# Altium PCB Fri3D_2026_00.PcbDoc (part 1 of 3)
Units mm, origin at the board's own origin, x right, y up, seen from the top; angles counter-clockwise.
Board outline 119 x 61 mm, 2 copper layers (Top Layer, Bottom Layer), stack 1.571 mm thick; 126 components, 94 nets, 516 pads, 177 vias.
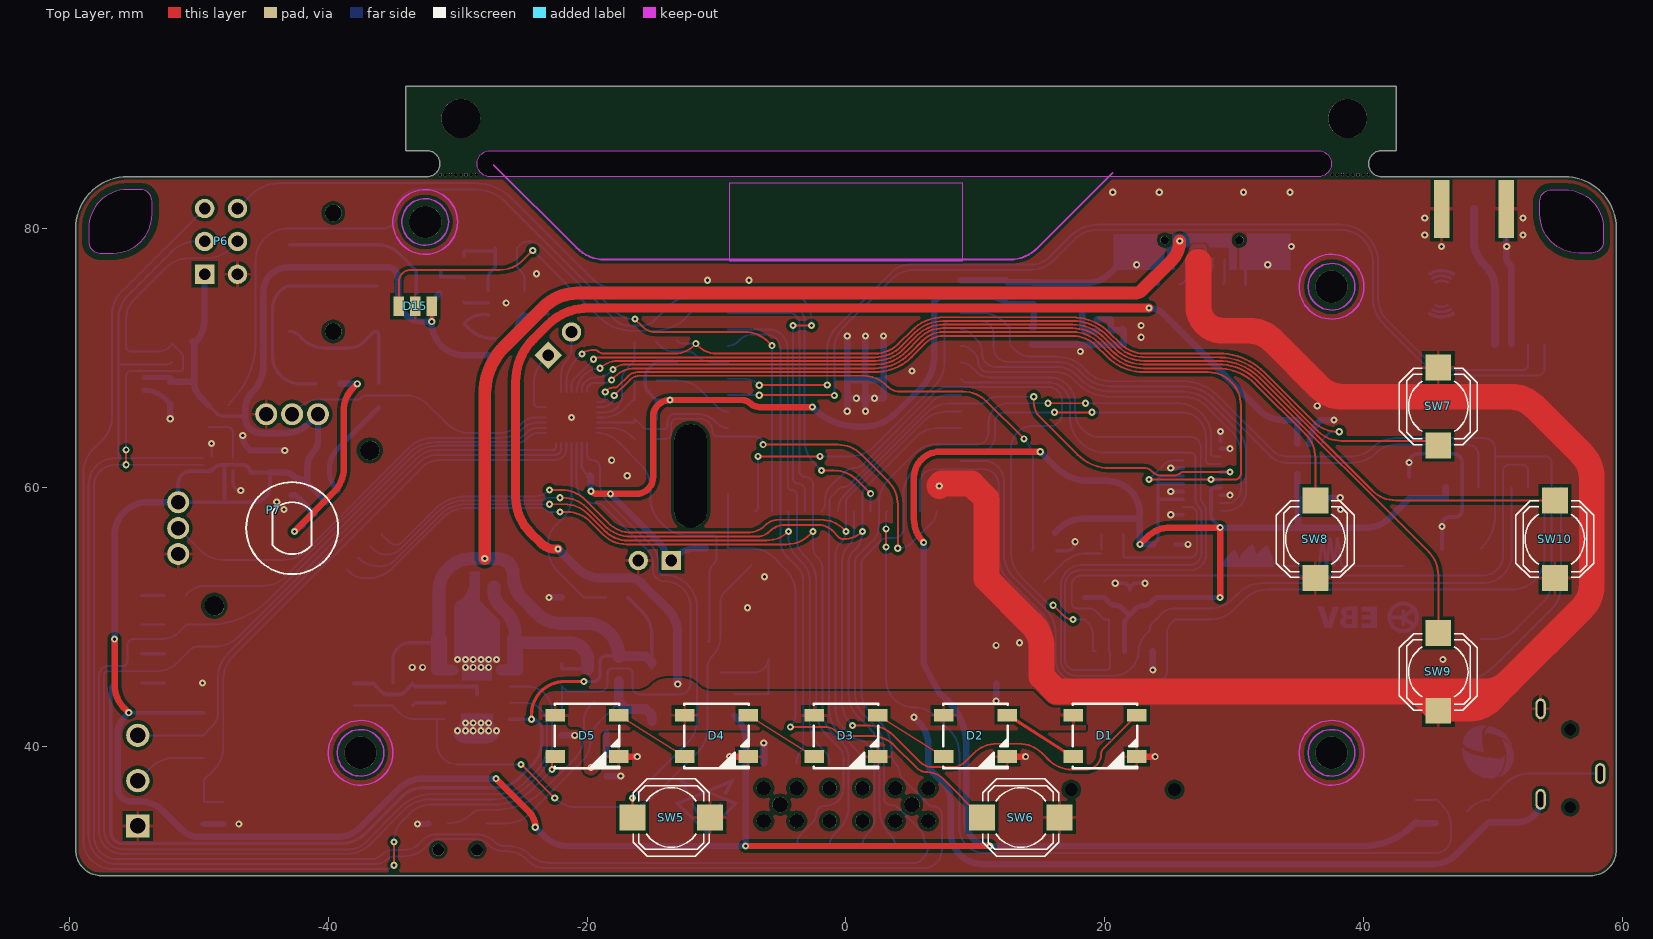
[diagram p0: Top Layer view]
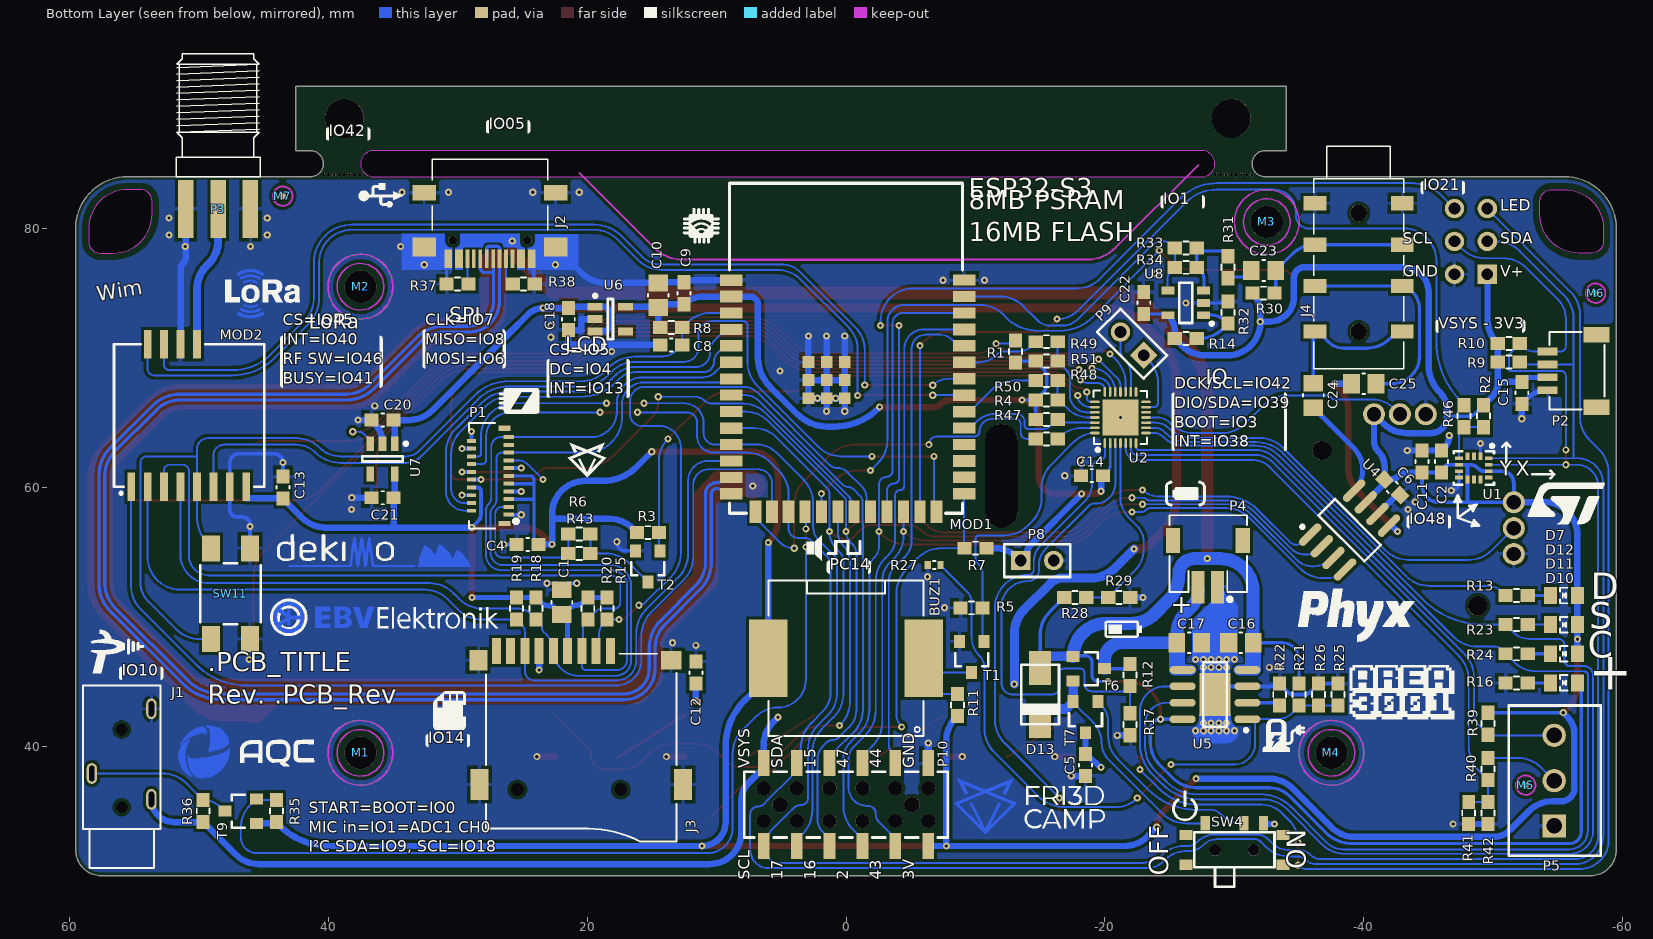
[diagram p1: Bottom Layer view, seen from below]
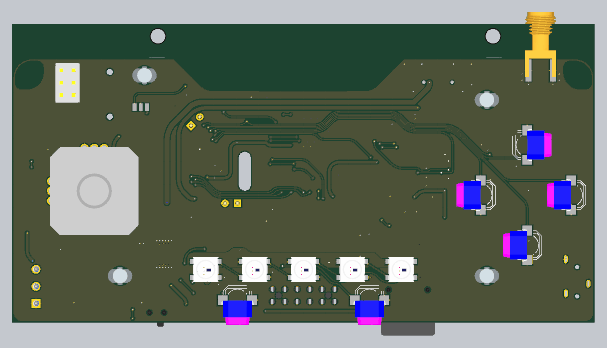
[diagram p4: 3D render of the assembled board from above, using the file's embedded part models]
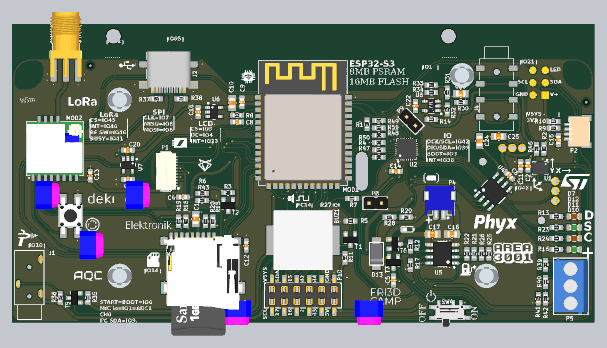
[diagram p5: 3D render of the assembled board from below, using the file's embedded part models]

## Layer stack, top to bottom
Top Solder: solder mask 0.0102, Solder Resist, Dk 3.5
Top Layer: signal copper 0.0356
Dielectric1: core 1.5, FR-4, Dk 4.8
Bottom Layer: signal copper 0.0356
Bottom Solder: solder mask 0.0102, Solder Resist, Dk 3.5

## Board outline
-59.5,32 ccw(c-57.5,32) -57.5,30 57.5,30 ccw(c57.5,32) 59.5,32 59.5,80 ccw(c55.5,80) 55.5,84 41.366,84 cw(c41.366,85) 41.366,86 42.5,86 42.5,91 -34,91 -34,86 -32.366,86 cw(c-32.366,85) -32.366,84 -55.5,84 ccw(c-55.5,80) -59.5,80
cut-out: -27.5,84 cw(c-27.5,85) -27.5,86 36.5,86 cw(c36.5,85) 36.5,84
cut-out: -53.6,81.1 -53.6,82.1 ccw(c-54.5,82.1) -54.5,83 -55.5,83 ccw(c-55.5,80) -58.5,80 -58.5,79 ccw(c-57.6,79) -57.6,78.1 -56.6,78.1 ccw(c-56.6,81.1)
cut-out: 53.6,81.1 53.6,82.1 cw(c54.5,82.1) 54.5,83 55.5,83 cw(c55.5,80) 58.5,80 58.5,79 cw(c57.6,79) 57.6,78.1 56.6,78.1 cw(c56.6,81.1)

## Design rules (kind name [scope] priority, off if disabled: settings)
BoardOutlineClearance [NOT OnLayer('Top Overlay') AND NOT OnLayer('Bottom Overlay') AND NOT IsText AND NOT HasFootprint('MicroBIT_V2_PCB') AND NOT IsKeepOut] p1: gap=0.5 ignorepadtopadclearanceinfootprint=FALSE except(0: Arc-SplitContinuation Track-SplitContinuation SMDPad-SplitContinuation THPad-SplitContinuation Via-SplitContinuation Fill-SplitContinuation Poly-SplitContinuation Region-SplitContinuation Text-SplitContinuation; 0.15: SMDPad-OutlineEdge THPad-OutlineEdge; 0.25: Poly-OutlineEdge Region-OutlineEdge; 0.3: Arc-OutlineEdge Track-OutlineEdge; 0.4: Via-OutlineEdge)
Clearance [All] p1: gap=0.15 ignorepadtopadclearanceinfootprint=FALSE except(0.125: Arc-Arc Arc-Track Arc-SMDPad Arc-Via Track-Track Track-SMDPad Track-Via; 0.25: Arc-Poly Arc-Hole Track-Poly Track-Hole SMDPad-Poly SMDPad-Hole THPad-Poly THPad-Hole Via-Poly Via-Hole Fill-Poly Fill-Hole Poly-Hole Region-Hole Text-Hole)
ComponentClearance ComponentClearance_TP [HasFootprint('TP_2x3mm')] p1: gap=0 collisioncheckmode=3 verticalgap=0 showdistances=FALSE
ComponentClearance ComponentClearance_CO2 [InComponent('P5') OR InComponent('P8') OR InComponent('MOD2') vs InComponent('P5') OR InComponent('P8') OR InComponent('MOD2')] p2: gap=0 collisioncheckmode=3 verticalgap=0 showdistances=FALSE
ComponentClearance ComponentClearance_BAT [InComponent('P4')  OR InComponent('BAT1') OR InComponent('R27') vs InComponent('P4')  OR InComponent('BAT1') OR InComponent('R27')] p3: gap=0 collisioncheckmode=3 verticalgap=0 showdistances=FALSE
ComponentClearance ComponentClearance_R31-T5 [InComponent('R31') OR InComponent('T5') vs InComponent('R31') OR InComponent('T5')] p4: gap=0 collisioncheckmode=3 verticalgap=0 showdistances=FALSE
ComponentClearance "ComponentClearance_Selection resistors" [InComponent('R45') OR InComponent('R44') OR InComponent('R33') OR InComponent('R34') vs InComponent('R45') OR InComponent('R44') OR InComponent('R33') OR InComponent('R34')] p5: gap=0 collisioncheckmode=3 verticalgap=0 showdistances=FALSE
ComponentClearance ComponentClearance_T9-R4 [InComponent('R4') OR InComponent('T9') vs InComponent('R4') OR InComponent('T9')] p6: gap=0 collisioncheckmode=3 verticalgap=0 showdistances=FALSE
ComponentClearance ComponentClearance_IR [InComponent('D6') OR InComponent('D15') vs InComponent('D6') OR InComponent('D15')] p7: gap=0 collisioncheckmode=3 verticalgap=0 showdistances=FALSE
ComponentClearance [All] p8: gap=0.25 collisioncheckmode=3 verticalgap=0.25 showdistances=FALSE
DiffPairsRouting [All] p1: maxlimit=0.254 minlimit=0.2 mostfreqgap=0.2 toplayer_minwidth=0.25 toplayer_maxwidth=0.5 toplayer_prefwidth=0.25 bottomlayer_minwidth=0.25 bottomlayer_maxwidth=0.5 bottomlayer_prefwidth=0.25 maxuncoupledlength=12.7
HoleSize [All] p1: absolutevalues=TRUE maxlimit=20 minlimit=0.025 maxpercent=80.000 minpercent=20.000
PolygonConnect PolygonConnect_VIA [IsVia] p1: connectstyle=Direct reliefconductorwidth=0.254 reliefentries=4 polygonreliefangle="90 Angle" airgapwidth=0.254
PolygonConnect [All] p2: connectstyle=Relief reliefconductorwidth=0.254 reliefentries=4 polygonreliefangle="90 Angle" airgapwidth=0.254
RoutingVias [All] p1: holewidth=0.3 width=0.7 viastyle="Through Hole" minholewidth=0.25 minwidth=0.2 maxholewidth=0.6 maxwidth=1.2
SilkToSolderMaskClearance SilkscreenOverComponentPads [IsPad] p1: minsilkscreentomaskgap=0.254 clearancetoexposedcopper=TRUE
SolderMaskExpansion [All] p1: expansion=0.05 istentingtop=FALSE
SupplyNets "Schematic Supply Nets_5" [InNet('VUSB')] p1: voltage=0.000
SupplyNets "Schematic Supply Nets_4" [InNet('VBAT')] p2: voltage=0.000
SupplyNets "Schematic Supply Nets_3" [InNet('GND')] p3: voltage=0.000
SupplyNets "Schematic Supply Nets_2" [InNet('3V3_ESP')] p4: voltage=0.000
SupplyNets "Schematic Supply Nets_1" [InNet('3V3_AUX')] p5: voltage=0.000
SupplyNets "Schematic Supply Nets" [InNet('VSYS')] p6: voltage=0.000
Width [All] p1: maxlimit=5 minlimit=0.125 preferedwidth=0.25
26 further rules are at their usual default settings.

## Classes and differential pairs
net class AIN[0..1]: AIN0 AIN1
net class ESP.IO[0..48]: ESP.IO0 ESP.IO1 ESP.IO2 ESP.IO3 ESP.IO4 ESP.IO5 ESP.IO6 ESP.IO7 ESP.IO8 ESP.IO10 ESP.IO11 ESP.IO12 ESP.IO13 ESP.IO14 ESP.IO15 ESP.IO16 ESP.IO17 ESP.IO18 ESP.IO19 ESP.IO20 ESP.IO21 ESP.IO22 ESP.IO23 ESP.IO24 ESP.IO28 ESP.IO29 ESP.IO30 ESP.IO31 ESP.IO35 ESP.IO37 ESP.IO38 ESP.IO39 ESP.IO40 ESP.IO41 ESP.IO42 ESP.IO43 ESP.IO44 ESP.IO45 ESP.IO46 ESP.IO47 ESP.IO48
net class 90r: USB.D_n USB.D_p
component class Power: C16 C17 C18 C20 C21 D10 D11 D12 D13 P4 R1 R16 R21 R22 R23 R24 R25 R26 R27 SW4 T6 T7 U5 U6 U7
component class Peripherals: BUZ1 C1 C2 C4 C5 C11 C12 C14 D1 D2 D3 D4 D5 D7 D15 J3 P1 P7 P8 P9 R2 R3 R4 R5 R6 R11 R12 R13 R15 R17 R18 R19 R20 R28 R29 R43 R46 R47 R48 R49 R50 R51 SW5 SW6 SW7 SW8 SW9 SW10 T1 T2 U1 U2
component class Fri3D_2026_00: C6 C13 C15 C22 C23 C24 C25 J1 J2 J4 M1 M2 M3 M4 M5 M6 M7 MOD2 P2 P3 P5 P6 P10 R14 R30 R31 R32 R33 R34 R35 R36 R37 R38 R39 R40 R41 R42 T9 U4 U8
component class ESP32: C8 C9 C10 MOD1 R7 R8 R9 R10 SW11
net class POWER: 3V3_AUX 3V3_ESP GND VB-S VBAT VSYS VUSB
differential pair USB.D: +USB.D_p -USB.D_n

## Components (designator, comment, footprint, x,y, rotation, side; value= is the part's Value field where it differs from the comment)
BUZ1 "12x12x3mm Piezo Buzzer Transducer 81dB" CUI_CMT-1203-SMT 0,46.8 r0 bottom locked value=CMT-1203-SMT
C1 "" C0805_N 21.946,51.141 r90 bottom value="10uF 10V"
C2 "" C0603_N -46,62 r90 bottom value="100nF 16V"
C4 "" C0603_N 24.6,55.6 r0 bottom value="100nF 16V"
C5 "" C0603_N -18.5,38.55 r270 bottom value="1uF 16V"
C6 "" C0603_N -42.2,60 r225 bottom value="100nF 16V"
C8 "" C0603_N 13.5,71 r0 bottom value="100nF 16V"
C9 "" C0603_N 12.5,75 r90 bottom value="100nF 16V"
C10 "" C0805_N 14.5,74.85 r90 bottom value="10uF 10V"
C11 "" C0603_N -44.5,62 r90 bottom value="1uF 16V"
C12 "" C0603_N 11.6,45.7 r90 bottom value="1uF 16V"
C13 "" C0603_N 43.5,60 r90 bottom value="1uF 16V"
C14 "" C0603_N -19,60.9 r0 bottom value="100nF 16V"
C15 "" C0603_N -52.2,67.3 r270 bottom value="100nF 16V"
C16 "" C0805_N -30.5,48 r0 bottom value="10uF 10V"
C17 "" C0805_N -26.5,48 r180 bottom value="10uF 10V"
C18 "" C0603_N 21.45,73 r270 bottom value="1uF 16V"
C20 "" C0603_N 35.8,65.2 r0 bottom value="1uF 16V"
C21 "" C0603_N 35.8,59.2 r0 bottom value="1uF 16V"
C22 "" C0603_N -23,74.25 r90 bottom value="100nF 16V"
C23 "" C0805_N -32.25,76.75 r0 bottom value="10uF 10V"
C24 "" C0805_N -36.1,67.1 r270 bottom value="10uF 10V"
C25 "" C0805_N -40,68 r0 bottom value="10uF 10V"
D1 "WS2812 based digital RGB LED 5050 White package reduced current" LED_5050_WS2812B_WHITE 20,40.8 r0 top value="WS218C 5050 WH"
D2 "WS2812 based digital RGB LED 5050 White package reduced current" LED_5050_WS2812B_WHITE 10,40.8 r0 top value="WS218C 5050 WH"
D3 "WS2812 based digital RGB LED 5050 White package reduced current" LED_5050_WS2812B_WHITE 0,40.8 r0 top value="WS218C 5050 WH"
D4 "WS2812 based digital RGB LED 5050 White package reduced current" LED_5050_WS2812B_WHITE -10,40.8 r0 top value="WS218C 5050 WH"
D5 "WS2812 based digital RGB LED 5050 White package reduced current" LED_5050_WS2812B_WHITE -20,40.8 r0 top value="WS218C 5050 WH"
D7 "Default 0805 Red LED" LED_0805_RD -55.45,51.65 r0 bottom
D10 "Default 0805 Green LED" LED_0805_GR -55.45,44.9 r0 bottom
D11 "Default 0805 Red LED" LED_0805_RD -55.45,47.15 r0 bottom
D12 "Default 0805 Green LED" LED_0805_GR -55.45,49.4 r0 bottom
D13 "40V 2A 550mV@2A DO-214 Schottky" DO-214AC_AC -15,44 r270 bottom value=SS24-MS
D15 "ZIRM-5042B-42-Z2 Infrared Receiver 38 kHz 45° 2.7-5.5V 940nm" CHAU_ZIRM-5042B-42-Z2 -33.27,74 r0 top value=ZIRM-5042B-42-Z2
J1 "3.5mm jack, black, 3 contacts" SHOU_HAN_PJ-320A-3P 55.95,41.3 r90 bottom value=PJ-320A-3P
J2 "USB 2.0 C Reversible Receptacle Horizontal full SMD" XUNPU-TYPEC-304S-ACP16 27.5,80.2 r0 bottom value=TYPEC-304S-ACP16
J3 "Micro SD PiPo Push-Push" TFP09-2-12B 20.5,42 r180 bottom value=TFP09-2-12B
J4 "3.5mm jack, black, 4 contacts" HC-PJ-313E8-B-SMT -39.6,77 r270 bottom value=HC-PJ-313E8-B-SMT
M1 "HIWA LCC-12 Snap-in - Snap-in 12.7mm" WE_709622400 37.5,39.5 r180 bottom value=LCC-12
M2 "HIWA LCC-12 Snap-in - Snap-in 12.7mm" WE_709622400 37.5,75.5 r180 bottom value=LCC-12
M3 "HIWA LCC-12 Snap-in - Snap-in 12.7mm" WE_709622400 -32.5,80.5 r180 bottom value=LCC-12
M4 "HIWA LCC-12 Snap-in - Snap-in 12.7mm" WE_709622400 -37.5,39.5 r180 bottom value=LCC-12
M5 "Fiducial 0.5mm" FID_0.5mm -52.5,37 r180 bottom value="NO BOM"
M6 "Fiducial 0.5mm" FID_0.5mm -57.9,75 r180 bottom value="NO BOM"
M7 "Fiducial 0.5mm" FID_0.5mm 43.5,82.5 r180 bottom value="NO BOM"
MOD1 "ESP32-S3 based WROOM-1 16MB Flash, 8MB PSRAM" ESP-ESP32-S3-WROOM-1 9,58 r180 bottom locked value=ESP32-S3-WROOM-1-N16R8
MOD2 "868/915MHz 22dBm LoRa Module with Antenna Pin" SEE_Wio-SX1262 50.741,65.55 r270 bottom value=Wio-SX1262-N
P1 "FH35C-21S-0.3SHW Top and Bottom Contacts 0.3mm 21pin" HRS_FH35C-21S-0.3SHW 27.49,60.89 r90 bottom value=FH35C-21S-0.3SHW(50)
P2 "Header 1.0mm RA Shrouded 4" WE_665104131822 -54.2,67.5 r90 bottom value=665104131822
P3 "DEALON DL-SMA-K513-08K" DEA_DL-SMA-K513-08K 48.5,85 r180 bottom value=DL-SMA-K513-08K
P4 "Header RA 1.5mm Shrouded S2B-ZR-SM4A-TF" JST_ZH_S2B-ZR-SM4A-TF -28.7,52.3 r0 bottom value=S2B-ZR-SM4A-TF
P5 "3 Way Screw HDR 3.5mm Rising Cage" WE_691103110003 -54.7,37.35 r90 bottom
P6 "Receptacle 3x2" RCPT2X3 -47,76.46 r90 top
P7 "PSP Mini Joystick" PSP_Mini_Joystick -42.783,56.852 r270 top
P8 "Header 2" HDR1X2 -13.5,54.35 r180 bottom
P9 "Header 2" HDR1X2 -22.996,70.204 r45 bottom
P10 "Receptacle 6x2 SMD low profile" WE_610312243021_POST 0,35.5 r0 bottom locked value=610312243021
R1 "" R0603_N -13.1,70.5 r90 bottom value=10K
R2 "" R0603_N -49.25,65.5 r270 bottom value=5K1
R3 "" R0603_N 15.3,56.5 r180 bottom value=100K
R4 "" R0603_N -15.5,65.25 r180 bottom value=5K1
R5 "" R0603_N -9.7,50.7 r0 bottom value=100K
R6 "" R0603_N 20.6,56.4 r180 bottom value=100R
R7 "" R0603_N -10,55.3 r0 bottom value=5K1
R8 "" R0603_N 13.5,72.35 r180 bottom value=5K1
R9 "" R0603_N -51.2,69.7 r180 bottom value=5K1
R10 "" R0603_N -51.2,71.1 r180 bottom value=5K1
R11 "" R0603_N -8.6,43.2 r270 bottom value=1K5
R12 "" R0603_N -21.95,45.5 r270 bottom value=100K
R13 "" R0603_N -51.8,51.65 r0 bottom value=1K5
R14 "" R0603_N -26.25,71.5 r180 bottom value=10K
R15 "" R0603_N 18.446,50.641 r270 bottom value=10K
R16 "" R0603_N -51.8,44.9 r0 bottom value=5K1
R17 "" R0603_N -21.95,41.7 r270 bottom value=100K
R18 "" R0603_N 23.946,50.641 r270 bottom value=10K
R19 "" R0603_N 25.446,50.641 r270 bottom value=10K
R20 "" R0603_N 19.946,50.641 r270 bottom value=10K
R21 "" R0603_N -35,44 r270 bottom value=5K1
R22 "" R0603_N -33.5,44 r90 bottom value=1K5
R23 "" R0603_N -51.8,49.4 r0 bottom value=5K1
R24 "" R0603_N -51.8,47.15 r0 bottom value=5K1
R25 "" R0603_N -38,44 r90 bottom value=100K
R26 "" R0603_N -36.5,44 r90 bottom value=100K
R27 "" R0402 -6.8,54 r0 bottom value=10K
R28 "" R0603_N -17.7,51.5 r180 bottom value=100K
R29 "" R0603_N -21.1,51.5 r180 bottom value=100K
R30 "" R0603_N -32.25,75 r180 bottom value=10K
R31 "" R0603_N -29.5,77 r270 bottom value=1K5
R32 "" R0603_N -29.5,73.5 r90 bottom value=10K
R33 "" R0603_N -26.25,78.5 r180 bottom value=100K
R34 "" R0603_N -26.25,77 r180 bottom value=100K
R35 "" R0603_N 44,35 r90 bottom value=5K1
R36 "" R0603_N 49.65,35 r90 bottom value=5K1
R37 "" R0603_N 30,75.7 r0 bottom value=5K1
R38 "" R0603_N 24.9,75.7 r180 bottom value=5K1
R39 "" R0603_N -49.6,41.75 r90 bottom value=1K5
R40 "" R0603_N -49.6,38.25 r90 bottom value=10K
R41 "" R0603_N -48.1,34.85 r90 bottom value=5K1
R42 "" R0603_N -49.6,34.85 r90 bottom value=5K1
R43 "" R0603_N 20.6,54.9 r180 bottom value=100R
R46 "" R0603_N -47.75,65.5 r90 bottom value=100R
R47 "" R0603_N -15.5,63.75 r0 bottom value=0R
R48 "" R0603_N -15.5,68.25 r0 bottom value=0R
R49 "" R0603_N -15.5,71.25 r0 bottom value=0R
R50 "" R0603_N -15.5,66.75 r180 bottom value=5K1
R51 "" R0603_N -15.5,69.75 r180 bottom value=5K1
SW4 "WS-SLSU Mini slide switch 1P2T SMD" WE_450404015514 -30,32 r0 bottom value=450404015514
SW5 "SKPMAME010 6x6 TACTG Switch" ALPS_SKPMAME010 -13.5,34.5 r0 top value=SKPMAME010
SW6 "SKPMAME010 6x6 TACTG Switch" ALPS_SKPMAME010 13.5,34.5 r0 top value=SKPMAME010
SW7 "SKPMAME010 6x6 TACTG Switch" ALPS_SKPMAME010 45.75,66.25 r90 top value=SKPMAME010
SW8 "SKPMAME010 6x6 TACTG Switch" ALPS_SKPMAME010 36.25,56 r270 top value=SKPMAME010
SW9 "SKPMAME010 6x6 TACTG Switch" ALPS_SKPMAME010 45.75,45.75 r270 top value=SKPMAME010
SW10 "SKPMAME010 6x6 TACTG Switch" ALPS_SKPMAME010 54.75,56 r270 top value=SKPMAME010
SW11 "4.5x4.5mm tact SMD H3,8mm" WE_430181038816 47.542,51.792 r90 bottom value=430181038816
T1 "0.2A N-Ch MOSFET Vgs 3.2" SOT23-3 -9.7,46.9 r0 bottom value=BSS138
T2 "0.2A N-Ch MOSFET Vgs 3.2" SOT23-3 15.3,53.9 r0 bottom value=BSS138
T6 "-2.3A -20V P-Ch MOSFET Vgs -1V" SOT23-3 -18.75,46 r270 bottom value=SL2301
T7 "-2.3A -20V P-Ch MOSFET Vgs -1V" SOT23-3 -18.5,42.25 r0 bottom value=SL2301
T9 "0.2A N-Ch MOSFET Vgs 3.2" SOT23-3 46.75,35 r90 bottom value=BSS138
U1 "Acceleration ±2, ±4, ±8, ±16g Gyro ±125, ±250, ±500, ±1000, ±2000dps" STM_LGA14_2.5x3 -48.5,61.5 r270 bottom value=LSM6DSOTR-C
U2 "WCH CH32X035G8U6 QFN28 RISC-V 32-bit MCU, 62KB Flash, 10KB RAM, USB PD" QFN_28_4.0X4.0_P0.4 -21.2,65.4 r90 bottom value=CH32X035G8U6
U4 "I²S 24bit 192kHz 3V~3.6V DAC" SOIC_N_8 -38.9,56.7 r135 bottom value=CJC4334H
U5 "Single Cell LiIon charger max 1A" SOIC_N_8_TH -28.5,44 r0 bottom value=TP4056
U6 "3V3 LDO 700mA 50mV" SOT23-5 18.2,73 r180 bottom value=XC6210B332MR
U7 "3V3 LDO 700mA 50mV" SOT23-5 35.8,62.2 r270 bottom value=XC6210B332MR
U8 "Single, 30-V, 1-MHz operational amplifier" TI_DBV_R-PDSO-G5 -26.25,74.25 r0 bottom value=LM321

## Footprints (in the part's own frame and the unit in brackets; to place one, negate y for a bottom-side part, rotate by r counter-clockwise, add the part's x,y. Pads: shape width x height; smd on the part's side, far side on the other; paste and mask are expansions set on the pad)
ALPS_SKPMAME010 [mm] "ALPS SKPMAME010"
  rect 2x2 smd: 1(-3,0) 2(3,0)
  silkscreen extent -2.95,-3 2.95,3, body extent -3.3,-2.97 3.3,2.97, height 5
C0603_N [mm] "Low density"
  rect 1.1x1 smd: 1(-0.85,0) 2(0.85,0)
  silkscreen extent -0.1,-0.5 0.1,0.5, body extent -0.8,-0.4 0.8,0.4, height 0.3
C0805_N [mm] "Low density"
  rect 1.3x1.5 smd: 1(-0.95,0) 2(0.95,0)
  silkscreen extent -0.1,-0.8 0.1,0.8, body extent -1,-0.62 1,0.63, height 0.78
CHAU_ZIRM-5042B-42-Z2 [mm] "CHAU SMD IR Receiver"
  rect 0.8x1.5 smd: 1(-1.27,0) 2(0,0) 3(1.27,0)
  body extent -2.5,0 2.5,4.2, height 4.4
CUI_CMT-1203-SMT [mm] "12x12x3mm piezo buzzer"
  rect 3x6 smd: 1(-6,0) 2(6,0)
  silkscreen extent -6,-6 6,6, body extent -6,-6 6,6, height 3.05
DEA_DL-SMA-K513-08K [mm] "SMA RS PCB Mount 1.6mm"
  rect 1.2x4.5 smd: 1(0,-3.5) 2(-2.5,-3.5) 2(2.5,-3.5)
  rect 1.2x4.5 smd far side: 2(-2.5,-3.5) 2(2.5,-3.5)
  silkscreen extent -3.25,-1 3.25,8.5, body extent -3.18,-4.83 3.18,8.5, height 3.67
DO-214AC_AC [mm] "DO-214AC or SMA footprint with A and C pads"
  rect 2.6x1.7 smd: A(-2.05,0) C(2.05,0)
  silkscreen extent -2.3,-1.45 2.3,1.45, body extent -2.6,-1.3 2.6,1.3, height 2.3
ESP-ESP32-S3-WROOM-1 [mm] "ESP32-S3-WROOM-1 Module"
  rect 1.75x0.9 smd: 1(0.125,18.01) 2(0.125,16.74) 5(0.125,12.93) 6(0.125,11.66) 10(0.125,6.58) 14(0.125,1.5) 27(18.125,1.5) 28(18.125,2.77) 29(18.125,4.04) 32(18.125,7.85) 33(18.125,9.12) 34(18.125,10.39) 35(18.125,11.66) 36(18.125,12.93) 37(18.125,14.2)
  rect 1.75x0.85 smd: 3(0.125,15.47) 4(0.125,14.2) 7(0.125,10.39) 8(0.125,9.12) 9(0.125,7.85) 11(0.125,5.31) 12(0.125,4.04) 13(0.125,2.77) 30(18.125,5.31) 31(18.125,6.58) 38(18.125,15.47) 39(18.125,16.74) 40(18.125,18.01)
  rect 0.9x1.75 smd: 15(2.015,0.125) 16(3.285,0.125) 17(4.555,0.125) 26(15.985,0.125)
  rect 0.85x1.75 smd: 18(5.825,0.125) 19(7.095,0.125) 20(8.365,0.125) 21(9.635,0.125) 22(10.905,0.125) 23(12.175,0.125) 24(13.445,0.125) 25(14.715,0.125)
  rect 0.9x0.9 smd: 41(6.1,8.89) 41(6.1,10.29) 41(6.1,11.69) 41(7.5,8.89) 41(7.5,10.29) 41(7.5,11.69) 41(8.9,8.89) 41(8.9,10.29) 41(8.9,11.69)
  Keep-Out Layer region: 0,25.5 18,25.5 18,19.5 0,19.5
  silkscreen extent 0,0 18,25.5, body extent 0,0 18,25.5, height 3.2
FID_0.5mm [mm] "0.5mm Fiducial"
  round 0.5 smd mask+0.4: 0(0,0)
  Top Layer keep-out circle w0.15: c0,0 r0.75
  Bottom Placebound keep-out circle w0.15: c0,0 r0.75
HC-PJ-313E8-B-SMT [mm] "TRRS 3.5mm SMD"
  round 1.3 hole 1.3 unplated: 0(-4.2,0) 0(4.95,0)
  rect 1.1x1.75 smd: 1(-4.95,-3.375) 1(-4.95,3.375) 2(-1.75,-3.375) 2(-1.75,3.375) 3(1.45,3.375) 3(1.45,-3.375) 4(4.95,-3.375) 4(4.95,3.375)
  silkscreen extent -9.35,-3.47 7.85,3.48, body extent -9.35,-3.47 7.85,3.48, height 5.1
HDR1X2 [mm] "Connector; Header; 2 Position"
  rect 1.5x1.5 hole 0.9: 1(0,0)
  round 1.5 hole 0.9: 2(2.54,0)
  silkscreen extent -1.27,-1.27 3.81,1.27, body extent -1.17,-1.25 3.91,1.25, height 8.2
HRS_FH35C-21S-0.3SHW [mil] "HRS FH35C-21S-0.3SHW"
  rect 12x32 smd paste+0 mask+0: 1(-118.11,-56.59) 2(-94.49,-56.59) 3(-70.87,-56.59) 4(-47.24,-56.59) 5(-23.62,-56.59) 6(0,-56.59) 7(23.62,-56.59) 8(47.24,-56.59) 9(70.87,-56.59) 10(94.49,-56.59) 11(118.11,-56.59)
  rect 12x26 smd paste+0 mask+0: 12(-106.11,56.59) 13(-82.49,56.59) 14(-58.87,56.59) 15(-35.24,56.59) 16(-11.62,56.59) 17(12,56.59) 18(35.62,56.59) 19(59.24,56.59) 20(82.87,56.59) 21(106.49,56.59)
  rect 16x37 smd paste-18.5 mask-18.5: SH(-144.5,-44) SH(144.5,-44)
  silkscreen extent -160,-85 160,64, body extent -156,-63 156,102, height 35
JST_ZH_S2B-ZR-SM4A-TF [mm]
  rect 1x2.5 smd: 1(0,0) 2(1.5,0)
  rect 1.1x1.9 smd: M1(-1.95,-3.6) M2(3.45,-3.6)
  silkscreen extent -2.28,-5.55 3.72,1.09, body extent -2.28,-5.55 3.72,0.95, height 3.7
LED_0805_GR [mm] "0805 LED GREEN"
  rect 1x1.3 smd: 1(-1.05,0) 2(1.05,0)
  silkscreen extent -0.3,-0.6 0.3,0.6, body extent -1.01,-0.62 1.01,0.63, height 1.1
LED_0805_RD [mm] "0805 LED RED"
  rect 1x1.3 smd: 1(-1.05,0) 2(1.05,0)
  silkscreen extent -0.3,-0.6 0.3,0.6, body extent -1.01,-0.62 1.01,0.63, height 1.1
LED_5050_WS2812B_WHITE [mm] "5050 RGB LED WS2812B WHITE"
  rect 1.5x1 smd: 1(-2.45,1.6) 2(-2.45,-1.6) 3(2.45,-1.6) 4(2.45,1.6)
  silkscreen extent -2.5,-2.5 2.5,2.5, body extent -2.7,-2.5 2.7,2.5, height 1.6
PSP_Mini_Joystick [mm] "PSP Mini Joystick"
  round 1.7 hole 1.1: 1(-8.8,2) 2(-8.8,0) 3(-8.8,-2) 4(-2,-8.8) 5(0,-8.8) 6(2,-8.8)
  round 1.5 hole 1.5 unplated: MH(-6,6) MH(6,-6)
  silkscreen extent -3.55,-3.55 3.55,3.55, body extent -9,-9 9,9, height 7
QFN_28_4.0X4.0_P0.4 [mm]
  oval 0.75x0.2 smd: 1(-1.975,1.2) 2(-1.975,0.8) 3(-1.975,0.4) 4(-1.975,0) 5(-1.975,-0.4) 6(-1.975,-0.8) 7(-1.975,-1.2) 15(1.975,-1.2) 16(1.975,-0.8) 17(1.975,-0.4) 18(1.975,0) 19(1.975,0.4) 20(1.975,0.8) 21(1.975,1.2)
  oval 0.2x0.75 smd: 8(-1.2,-1.975) 9(-0.8,-1.975) 10(-0.4,-1.975) 11(0,-1.975) 12(0.4,-1.975) 13(0.8,-1.975) 14(1.2,-1.975) 22(1.2,1.975) 23(0.8,1.975) 24(0.4,1.975) 25(0,1.975) 26(-0.4,1.975) 27(-0.8,1.975) 28(-1.2,1.975)
  rect 2.8x2.8 smd paste-2539.97: 29(0,0)
  silkscreen extent -2.62,-2.05 2.07,2.07, body extent -2.07,-2.07 2.07,2.07, height 0.8
R0402 [mm]
  rect 0.5x0.6 smd: 1(-0.5,0) 2(0.5,0)
  silkscreen extent -0.1,-0.3 0.1,0.3, body extent -0.5,-0.25 0.5,0.25, height 0.35
R0603_N [mm] "Low density"
  rect 1.1x1 smd: 1(-0.85,0) 2(0.85,0)
  silkscreen extent -0.2,-0.5 0.2,0.5, body extent -0.8,-0.41 0.8,0.41, height 0.45
RCPT2X3 [mm] "Connector; Receptable; 6x2 Position"
  rect 1.5x1.5 hole 0.9: 1(0,2.54)
  round 1.5 hole 0.9: 2(0,0) 3(2.54,2.54) 4(2.54,0) 5(5.08,2.54) 6(5.08,0)
  body extent -1.52,-1.21 6.6,3.75, height 8.51
SEE_Wio-SX1262 [mm] "Seeed Studio Wio-SW1262"
  rect 2.2x0.6 smd: 1(5.5,-4.47) 2(5.5,-3.2) 3(5.5,-1.93) 4(5.5,-0.66) 5(5.5,0.61) 6(5.5,1.88) 7(5.5,3.15) 8(5.5,4.42) 9(-5.5,0.61) 10(-5.5,-0.66) 11(-5.5,-1.93) 12(-5.5,-3.2)
  silkscreen extent -5.5,-5.8 6.1,5.8, body extent -5.5,-5.8 5.5,5.8, height 2.95
SHOU_HAN_PJ-320A-3P [mm] "PJ-320A-3P Stereo Audio Jack 3.5mm"
  round 0.8 hole 0.9 unplated: 0(-6,0) 0(0,0)
  oval 1.6x0.8 hole 0.4 slot 1.2 at 0 deg: 1(-5.4,-2.3) 2(1.6,-2.3) 3(-3.4,2.3)
  silkscreen extent -10.7,-3 3.4,3, body extent -10.74,-3 3.4,3, height 5
SOIC_N_8 [mm] "150 mil body width"
  oval 2.2x0.6 smd: 1(-2.4,1.905) 2(-2.4,0.635) 3(-2.4,-0.635) 4(-2.4,-1.905) 5(2.4,-1.905) 6(2.4,-0.635) 7(2.4,0.635) 8(2.4,1.905)
  silkscreen extent -2.52,-2.5 0.9,2.88, body extent -3,-2.45 3,2.45, height 1.75
SOIC_N_8_TH [mm] "150 mil body width with Exposed Thermal Pad"
  oval 2x0.6 smd: 1(-2.5,1.905) 2(-2.5,0.635) 3(-2.5,-0.635) 4(-2.5,-1.905) 5(2.5,-1.905) 6(2.5,-0.635) 7(2.5,0.635) 8(2.5,1.905)
  rect 2.41x3.3 smd: 9(0,0)
  silkscreen extent -2.52,-2.5 0.9,2.88, body extent -3,-2.45 3,2.45, height 1.75
SOT23-3 [mm] "SOT-23; 3 Leads; Body 3.1 x 2.5 mm, inc. leads (LxW max)"
  rect 0.85x1 smd: 1(-0.95,-1.2) 2(0.95,-1.2) 3(0,1.2)
  silkscreen extent -1.27,-0.3 1.27,0.7, body extent -1.5,-1.32 1.5,1.32, height 1.08
SOT23-5 [mm] "SOT23, 5-Leads, Body 3,1x3,2mm (max), Pitch 0,95mm, IPC Medium Density"
  rect 1.15x0.6 smd: 1(-1.175,0.95) 2(-1.175,0) 3(-1.175,-0.95) 4(1.175,-0.95) 5(1.175,0.95)
  silkscreen extent -1.3,-1.55 0.2,1.92, body extent -1.4,-1.45 1.4,1.45, height 1.45
STM_LGA14_2.5x3 [mm] "PQFN, 14-Leads, Body 2,50x3,00mm, Pitch 0,50mm, IPC Medium Density"
  rect 0.6x0.3 smd: 1(-0.9,0.5) 2(-0.9,0) 3(-0.9,-0.5) 8(0.9,-0.5) 9(0.9,0) 10(0.9,0.5)
  rect 0.3x0.6 smd: 4(-0.75,-1.15) 5(-0.25,-1.15) 6(0.25,-1.15) 7(0.75,-1.15) 11(0.75,1.15) 12(0.25,1.15) 13(-0.25,1.15) 14(-0.75,1.15)
  silkscreen extent -1.82,-1.55 1.3,1.55, body extent -1.3,-1.55 1.3,1.55, height 0.86
TFP09-2-12B [mm] "tfp09-2-12b"
  round 0 hole 1 unplated: 0(-4.88,-5.35) 0(3.1,-5.35)
  rect 0.7x2 smd: 1(2.3,5.35) 2(1.2,5.35) 3(0.1,5.35) 4(-1,5.35) 5(-2.1,5.35) 6(-3.2,5.35) 7(-4.3,5.35) 8(-5.4,5.35) 9(-6.5,5.35)
  rect 1.4x1.6 smd: G1(-7.9,4.65)
  rect 1.4x2.4 smd: G2(-7.8,-4.95) G3(7.9,-4.95)
  rect 1.6x1.4 smd: G4(7,4.65)
  silkscreen extent -7.3,-9.35 7.4,5.15, body extent -7.93,-14.65 8.07,5.9, height 1.95
TI_DBV_R-PDSO-G5 [mm] "SOT23, 5-Leads, Body 2,90x2,80mm, Pitch 0,95mm, IPC Medium Density"
  rect 1x0.6 smd: 1(-1.375,0.95) 2(-1.375,0) 3(-1.375,-0.95) 4(1.375,-0.95) 5(1.375,0.95)
  silkscreen extent -2.12,-1.55 0.5,1.72, body extent -1.5,-1.52 1.5,1.53, height 1.3
WE_709622400 [mm] "=Description"
  round 2.5 hole 2.5: 1(0,0)
  Top Layer keep-out circle w0.1: c0,0 r2.5
  Bottom Layer keep-out circle w0.1: c0,0 r2.5
  body extent -2.5,-2.5 2.5,2.5, height 17.6
WE_430181038816 [mm] "Miniature SMD TACT SW"
  rect 2x1.4 smd: 1(-3.5,1.5) 1(3.5,1.5) 2(-3.5,-1.5) 2(3.5,-1.5)
  silkscreen extent -2.35,-2.35 2.35,2.35, body extent -3.75,-2.25 3.75,2.25, height 3.8
WE_450404015514 [mm] "=Comment"
  rect 0.7x1.1 smd: 1(2.25,-2.05) 2(-0.75,-2.05) 3(-2.25,-2.05)
  round 0.9 hole 0.9 unplated: M1(-1.5,0) M2(1.5,0)
  rect 1x0.8 smd: M3(-3.75,1.15) M4(3.75,1.15) M5(-3.75,-1.15) M6(3.75,-1.15)
  silkscreen extent -3.1,-1.35 3.1,2.85, body extent -3.85,-2.25 3.85,2.88, height 1.42
WE_610312243021_POST [mm] "Connector; Receptable; 6x2 Position SMD Low Profile"
  rect 0.9x2 smd: 1(-6.35,-3.2) 2(-6.35,3.2) 3(-3.81,-3.2) 4(-3.81,3.2) 5(-1.27,-3.2) 6(-1.27,3.2) 7(1.27,-3.2) 8(1.27,3.2) 9(3.81,-3.2) 10(3.81,3.2) 11(6.35,-3.2) 12(6.35,3.2)
  round 1.1 hole 1.1 unplated: ""(-6.35,-1.27) ""(-6.35,1.27) ""(-3.81,-1.27) ""(-3.81,1.27) ""(-1.27,-1.27) ""(-1.27,1.27) ""(1.27,-1.27) ""(1.27,1.27) ""(3.81,-1.27) ""(3.81,1.27) ""(6.35,-1.27) ""(6.35,1.27)
  round 1.2 hole 1.2 unplated: ""(-5.08,0) ""(5.08,0)
  silkscreen extent -7.87,-2.54 7.87,2.54, body extent -7.62,-3.6 7.62,3.6, height 3.7
WE_665104131822 [mm]
  rect 0.6x1.55 smd: 1(0,0) 2(1,0) 3(2,0) 4(3,0)
  rect 1.2x2 smd: Z1(-1.3,-3.775) Z2(4.3,-3.775)
  silkscreen extent -1.5,-4.4 4.5,-0.15, body extent -1.5,-4.4 4.5,0.55, height 2.95
WE_691103110003 [mm]
  rect 1.8x1.8 hole 1.2: 1(-3.5,0)
  round 1.8 hole 1.2: 2(0,0) 3(3.5,0)
  silkscreen extent -5.8,-3.6 5.8,3.5, body extent -5.7,-3.6 5.8,3.4, height 8.41
XUNPU-TYPEC-304S-ACP16 [mm] "USB C Connector SMD"
  round 0.65 hole 0.65 unplated: 0(-2.89,1.102) 0(2.89,1.102)
  rect 0.3x1.45 smd: A1(-3.375,2.548) A4(-2.55,2.548) A5(-1.25,2.548) A6(-0.25,2.548) A7(0.25,2.548) A8(1.25,2.547) A9(2.55,2.547) A12(3.375,2.548) B1(3.075,2.548) B4(2.25,2.548) B5(1.75,2.548) B6(0.75,2.548) B7(-0.75,2.548) B8(-1.75,2.547) B9(-2.25,2.548) B12(-3.075,2.548)
  rect 1.8x1.45 smd: MH1(-5.07,1.632) MH4(5.07,1.632)
  rect 1.8x1.2 smd: MH2(-5.07,-2.547) MH3(5.07,-2.548)
  silkscreen extent -4.47,-5.15 4.47,0.35, body extent -4.5,-5.15 4.44,2.75, height 3.26

## Part data
BUZ1: library part "BUZ # CUI CMT-1203-SMT", "Crystal Oscillator", Supplier Part Number 1=102-2197-1-ND, Supplier 1=Digi-key, Supplier 2=LCSC, Supplier 3=LCSC, Supplier Part Number 2=C409829, Supplier Part Number 3=C391037
C1 C10 C16 C17 C23 C24 C25: library part "CAP # 10uF 10V 0805", "Capacitor Ceramic", Supplier Part Number 1=2320859, Supplier 1=Farnell, Supplier 2=LCSC, Supplier 3=Generic, Supplier Part Number 2=C17024, Supplier Part Number 3="10uF 10V 0805 X7R"
C2 C4 C6 C8 C9 C14 C15 C22: library part "CAP # 100nF 16V 0603", "Capacitor Ceramic", Supplier Part Number 1=C282519, Supplier 1=LCSC, Supplier 3=Generic, Supplier Part Number 3="100nF 16V 0603 X7R"
C5 C11 C12 C13 C18 C20 C21: library part "CAP # 1uF 16V 0603", "Capacitor Ceramic", Supplier Part Number 1=2320814, Supplier 1=Farnell, Supplier 2=LCSC, Supplier 3=Generic, Supplier Part Number 2=C1592, Supplier Part Number 3="1uF 16V 0603 X7R"
D1 D2 D3 D4 D5: library part "LED # RGB WS2812C-5050 WH", "=Description", Supplier Part Number 1="WS2812C Black 5050", Supplier 1=Aliexpress, Supplier 2=LCSC, Supplier Part Number 2=C114587
D7 D11: library part "LED # Red 0805", "=Description", Supplier Part Number 1=2099236, Supplier 1=Farnell, Supplier 2=LCSC, Supplier Part Number 2=C965812
D10 D12: library part "LED # Green 0805", "=Description", Supplier Part Number 1=2099239, Supplier 1=Farnell, Supplier 2=LCSC, Supplier Part Number 2=C965815
D13: library part "Schottky # SS24-MS", "=Description", Supplier Part Number 1=C2836395, Supplier 1=LCSC
D15: library part "PHO # IR Rx 940nm ZIRM-5042B-42-Z2", "=Description", Supplier Part Number 1=C575386, Supplier 1=LCSC
J1: library part "AUDIO JACK 3.5 3c PJ-320A-3P", "=Description", Supplier Part Number 1=C17701689, Supplier 1=LCSC, Supplier 2=LCSC, Supplier Part Number 2=C19189087
J2: library part "USB # C 2.0 RCPT TYPEC-304S-ACP16", Supplier Part Number 1=C5187472, Supplier 1=LCSC, Supplier 2=LCSC, Supplier 3=LCSC, Supplier Part Number 2=C2927040, Supplier Part Number 3=C5156603
J3: library part "MicroSD TFP09-2-12B Push-Push", "=Description", Supplier Part Number 1=TFP09-2-12B, Supplier 1=AliExpress, Supplier 2=LCSC, Supplier 3=LCSC, Supplier Part Number 2=C393941, Supplier Part Number 3=C381082
J4: library part "AUDIO JACK # 3.5 4c HC-PJ-313E8-B-SMT", "=Description", Supplier Part Number 1=C7501803, Supplier 1=LCSC
M1 M2 M3 M4: library part "SPACER SNAP-SNAP LCC-12 -12.7mm", Supplier Part Number 1=C155856, Supplier 1=LCSC
M5 M6 M7: "FIDUCIAL", Supplier Part Number 1="FOOTPRINT ONLY", Supplier 1=XXX
MOD1: library part "WiFi # MOD ESP32-S3-WROOM-1-N16R8", "WiFi # MOD ESP32-S3-WROOM-1", Supplier Part Number 1=ESP32-S3-WROOM-1-N16R8, Supplier 1=Espressif, Supplier 2=Digi-key, Supplier Part Number 2=1965-ESP32-S3-WROOM-1-N16R8DKR-ND
MOD2: library part "RF # MOD Wio-SX1262-N 868MHz LoRa ANT pin", "=Description", Supplier Part Number 1=113991436, Supplier 1="Seeed Studio", Supplier 2=Digi-key, Supplier Part Number 2=1597-113991436-ND
P1: library part "ZIF # 0.3mm 21p FH35C-21S-0.3SHW(50)", Supplier Part Number 1=C5242964, Supplier 1=LCSC, Supplier 2=Digi-key, Supplier 3=LCSC, Supplier Part Number 2=26-FH35C-21S-0.3SHW(50)CT-ND, Supplier Part Number 3=C48688891
P2: library part "HDR # RA SHR 1.0mm 4way - 665104131822", Supplier Part Number 1=665104131822, Supplier 1=Wurth, Supplier 2=Mouser, Supplier 3=LCSC, Supplier Part Number 2=710-665104131822, Supplier Part Number 3=C2905006
P3: library part "RF # SMA DL-SMA-K513-08K", Supplier Part Number 1=C4749212, Supplier 1=LCSC
P4: library part "HDR # RA SHR 1.5mm 2way - S2B-ZR-SM4A-TF", Supplier Part Number 1=C265329, Supplier 1=LCSC, Supplier 2=Farnell, Supplier 3=Digi-Key, Supplier Part Number 2=1830920, Supplier Part Number 3=455-1693-1-ND
P5: library part "Terminal Block 3.5mm 3way", Supplier Part Number 1=C784941, Supplier 1=LCSC, Supplier 2=Würth, Supplier Part Number 2=691214110003
P6: library part "Receptacle 2.54mm dual row 6way", Supplier Part Number 1=C92272, Supplier 1=LCSC, Supplier 2=LCSC, Supplier Part Number 2=C358725
P7: library part "JOY # PSP Mini Joystick", Supplier Part Number 1=32958017132, Supplier 1=AliExpress, Supplier 2=TaoBao, Supplier Part Number 2=606257885046
P8 P9: library part "Pin Header 2.54mm 2way", Supplier Part Number 1=C492401, Supplier 1=LCSC, Supplier 2=LCSC, Supplier Part Number 2=C541856
P10: library part "Receptacle # 2.54mm dual row 12way 610312243021", Supplier Part Number 1=610312243021, Supplier 1=Wurth, Supplier 2=Mouser, Supplier Part Number 2=710-610312243021
R1 R14 R15 R18 R19 R20 R30 R32 R40: library part "RES # 10K 0603", Supplier Part Number 1=2502397, Supplier 1=Farnell, Supplier 2=LCSC, Supplier 3=Generic, Supplier Part Number 2=C25804, Supplier Part Number 3="10K 1% 0603"
R2 R4 R7 R8 R9 R10 R16 R21 R23 R24 R35 R36 R37 R38 R41 R42 R50 R51: library part "RES # 5K1 0603", Supplier Part Number 1=2845922, Supplier 1=Farnell, Supplier 2=LCSC, Supplier 3=Generic, Supplier Part Number 2=C112314, Supplier Part Number 3="5K1 1% 0603"
R3 R5 R12 R17 R25 R26 R28 R29 R33 R34: library part "RES # 100K 0603", Supplier Part Number 1=C25803, Supplier 1=LCSC, Supplier 2=LCSC, Supplier 3=Generic, Supplier Part Number 2=C14675, Supplier Part Number 3="100K 1% 0603"
R6 R43 R46: library part "RES # 100R 0603", Supplier Part Number 1=2446544, Supplier 1=Farnell, Supplier 2=LCSC, Supplier 3=Generic, Supplier Part Number 2=C22775, Supplier Part Number 3="100R 1% 0603"
R11 R13 R22 R31 R39: library part "RES # 1K5 0603", Supplier Part Number 1=C2930050, Supplier 1=LCSC, Supplier 2=LCSC, Supplier 3=Generic, Supplier Part Number 2=C114668, Supplier Part Number 3="1K5 1% 0603"
R27: library part "NTC # 10K 0402", Supplier Part Number 1=C209959, Supplier 1=LCSC, Supplier 2=LCSC, Supplier Part Number 2=C98099
R47 R48 R49: library part "RES # 0R 0603", Supplier Part Number 1=2447743, Supplier 1=Farnell, Supplier 2=LCSC, Supplier 3=Generic, Supplier Part Number 2="C95177 / C15402", Supplier Part Number 3="0R 1% 0603"
SW4: library part "SW # 1P2T WS-SLSU mini slide 6,7 x 2,7 mm", Supplier Part Number 1=732-13665-1-ND, Supplier 1=Digi-key, Supplier 2=LCSC, Supplier Part Number 2=C431540
SW5 SW6 SW7 SW8 SW9 SW10: library part "SW # TACT ALPS SKPMAME010", Supplier Part Number 1=C115348, Supplier 1=LCSC, Supplier 2=Farnell, Supplier 3=Mouser, Supplier Part Number 2=2056804, Supplier Part Number 3=688-SKPMAM
SW11: library part "SW # TACT small 4.5x4.5mm SMD WS-TASV", Supplier Part Number 1=430181038816, Supplier 1=Wurth, Supplier 2=Mouser, Supplier 3=LCSC, Supplier Part Number 2=710-430181038816, Supplier Part Number 3=C174049
T1 T2 T9: library part "BSS138 N-Ch MOSFET 0.2A 3.2Vgs 60Vds", Supplier Part Number 1=2432717, Supplier 1=Farnell
T6 T7: library part "SL2301 P-Ch MOSFET -2.3A -20Vds", "=Description", Supplier Part Number 1=C181086, Supplier 1=LCSC
U1: library part "ACCELERO GYRO # LSM6DSOTR-C", "=Description", Supplier Part Number 1=C2655100, Supplier 1=LCSC, Supplier 2=Mouser, Supplier 3=EBV, Supplier Part Number 2=511-LSM6DSOTR, Supplier Part Number 3=LSM6DSOTR
U2: library part "RISCV # CH32X035G8U6", Supplier Part Number 1=C7437027, Supplier 1=LCSC
U4: library part "DAC # I2S CJC4334H", "I2S Stereo DAC with 24-Bit, 192 kHz Stereo D/A Converter", Supplier Part Number 1=C41417670, Supplier 1=LCSC
U5: library part "CHG # TP4056 LiIon 1A", "=Description", Supplier Part Number 1=TP4056, Supplier 1=Aliexpress, Supplier 2=LCSC, Supplier Part Number 2=C382139
U6 U7: library part "LDO # 3V3 XC6210B33", "=Designator", Supplier Part Number 1=1057803, Supplier 1=Farnell, Supplier 2=LCSC, Supplier Part Number 2=C47719
U8: library part "OP # LM321", "=Description", Supplier Part Number 1=C18164494, Supplier 1=LCSC, Supplier 2=LCSC, Supplier 3=LCSC, Supplier Part Number 2=C51026323, Supplier Part Number 3=C18723612

## Free pads (board coordinates)
  round 0.25 hole 0.25 unplated mask+0: 0(-31.35,84.15) 0(-30.95,84.15) 0(-30.55,84.15) 0(-30.15,84.15) 0(-29.75,84.15) 0(-29.35,84.15) 0(-28.95,84.15) 0(-28.55,84.15) 0(37.55,84.15) 0(37.95,84.15) 0(38.35,84.15) 0(38.75,84.15) 0(39.15,84.15) 0(39.55,84.15) 0(39.95,84.15) 0(40.35,84.15)
  round 3 hole 3 unplated mask+0.2: 0(-29.75,88.5) 0(38.75,88.5)
  oval 2.5x8 hole 2.5 slot 8 at 90 deg unplated: FPC(-12,60.89)

## Via types
v1: diameter 0.55, hole 0.25, Top Layer to Bottom Layer, 177 vias